# KiCad board XIAO ePaper Display Board EE03_V1.0.kicad_pcb (continued)
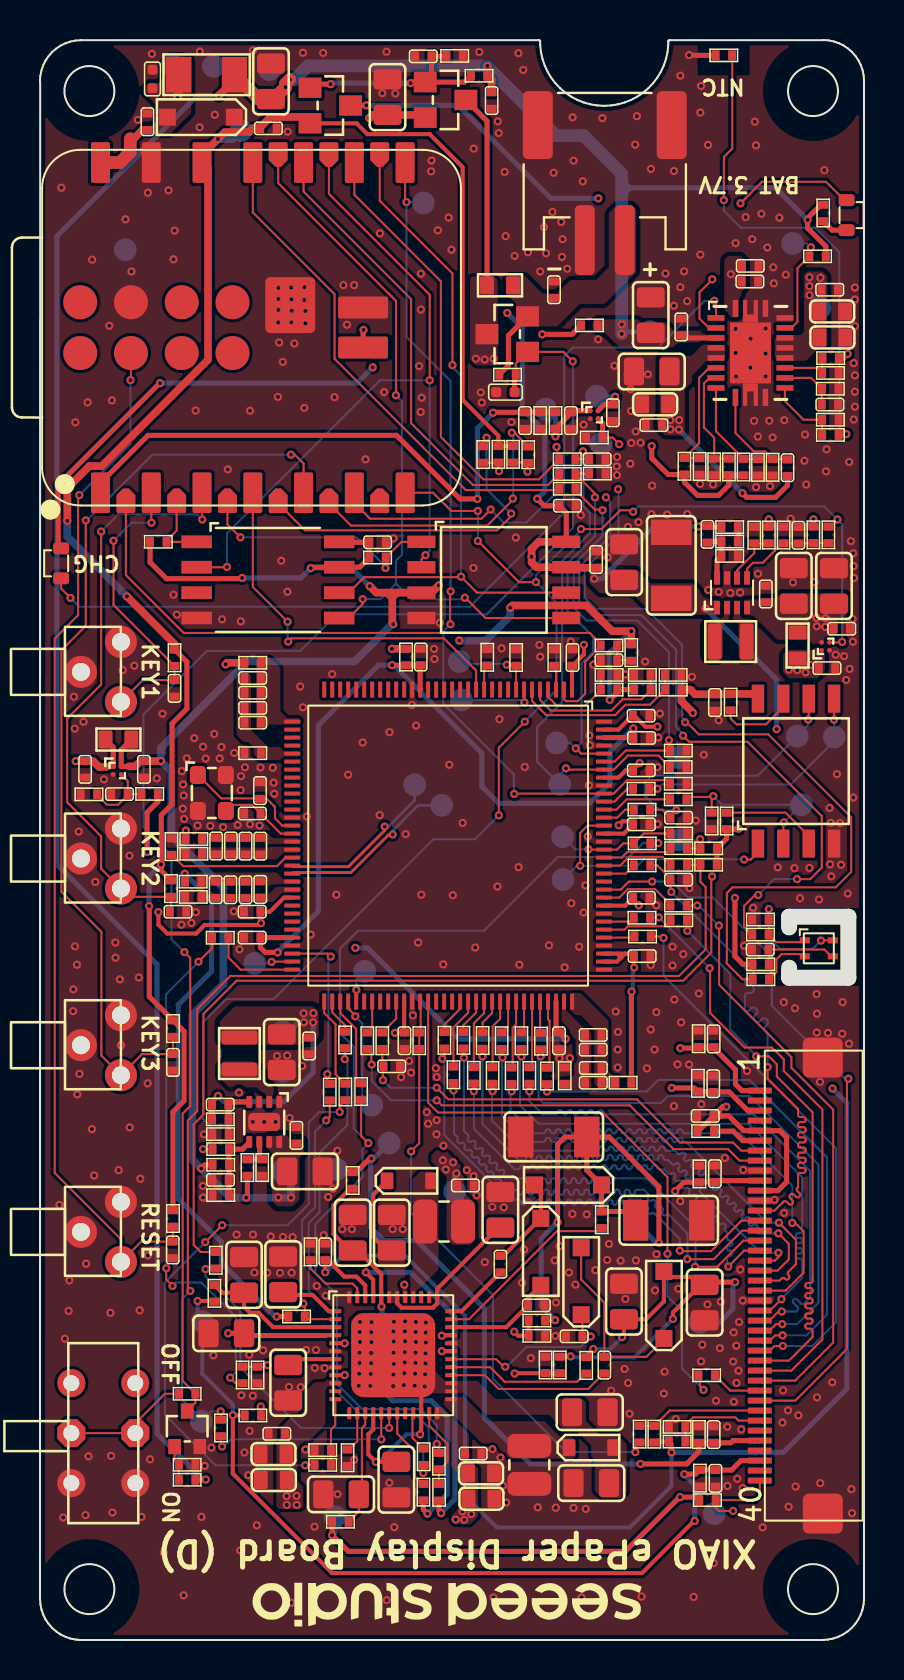
[diagram p0: board, top side]
## Routing (per net, layer and track width the routed paths; a pad name or vN(x,y) marks a point on that pad's centre or on a via; arc(x,y) is an arc through that point) (continued)
VBAT: length 19.5
  Top w0.254: Q5.3 22.37,75.94 R32.1 ; U17.A2 28.24,61.78 C48.1 28.67,62.05 v1(28.78,62.16) ; v1(35.15,57.34) 35.36,57.13 36.81,57.13 37.4,57.73 C67.1
  Bottom w0.254: v1(28.78,62.16) 27.88,62.16 TP3.1 ; v1(35.15,57.34) v1(31.97,60.52)
  vias: v1(21.81,64.06) v1(22.25,64.02) v1(22.7,64.06) v1(31.54,60.99) v1(31.54,60.53) v1(31.98,60.99)
VCC3IO: length 61.8
  Top w0.203: 29.69,45.58 v1(29.69,45.58)
  Top w0.254: U12.60 11.03,35.12 C125.1 11.03,34.62 11.27,34.38 v1(11.89,34.38) ; U12.20 19.02,48.71 19.05,48.74 17.63,48.74 v1(17.62,48.74) ; U12.126 29.67,45.12 C129.1 29.69,45.58 ; U12.94 25.82,30.52 C121.1 25.99,30.38 v1(26.3,30.06)
  In2.Cu w0.254: v1(15.78,34.61) 15.62,34.76 12.28,34.76 v1(11.89,34.38)
  Bottom w0.254: v1(11.89,34.38) 11.89,34.4 13.93,36.43 13.93,45.73 16.94,48.74 v1(17.62,48.74) 17.71,48.74 22.11,44.34 22.11,42.67 22.95,41.83 27.5,41.83 28.53,42.86 28.53,44.42 v1(29.69,45.58) ; v1(15.78,34.61) 16.39,34.61 20.94,30.06 v1(26.3,30.06)
VCC_3V3: length 150.6
  Top w0.254: Q7.3 16.32,76.72 v1(16.33,76.73) ; R137.2 10.38,22.17 v1(10.32,22.11) ; R79.2 33.45,55.64 C105.1 32.98,55.7 v1(32.96,55.67) ; R14.1 4.07,44.51 U19.A2 4.76,43.67 4.77,43.68 ; v1(13.55,53.59) 13.59,53.64 U6.7 16,53.64 R31.2 C63.1 15,54.89 U6.8 ; v1(34.77,37.1) 34.77,34.19 35.18,33.78 R152.1 ; U5.8 26.33,56.36 C50.1 25.23,56.71 v1(24.88,57.06) ; v1(8.07,23.58) 8.26,23.76 R25.2 ; R39.2 5.51,53.89 6.33,53.07 10.08,53.07 v1(10.12,53.1)
  Top w0.381: 17.91,52.37 17.63,52.37 ; 17.91,52.37 U5.3 19.59,52.37 v1(19.96,52.73) ; 17.91,52.37 17.85,52.37 17.63,52.14 ; 17.63,52.37 17.37,52.37 ; 17.63,52.37 17.63,52.14 ; 17.37,52.37 16.82,52.37 v1(16.5,52.69) ; 17.37,52.37 17.59,52.14 17.63,52.14 ; 17.63,52.14 17.63,50.84 v1(17.68,50.79) ; C29.1 26.36,53.61 U5.7 24.84,53.64 24.6,53.88 v1(24.6,54.16) 24.6,54.55 24.95,54.91 U5.8 ; v1(6.05,43.95) 6.04,43.95 C72.1 5.03,43.95 4.77,43.68 4.45,43.68
  In2.Cu w0.254: v1(34.77,37.1) 34.79,37.1 36.05,38.36 36.05,44.73 v1(36.86,45.54) ; v1(27.94,72.08) 27.94,68.77 25.52,66.35 v1(23.38,66.35)
  In2.Cu w0.381: v1(19.96,52.73) 19.96,53.45 20.73,54.23 24.54,54.23 v1(24.6,54.16)
  Bottom w0.254: v1(16.5,52.69) 15.6,53.59 v1(13.55,53.59) 13.06,53.1 v1(10.12,53.1) ; v1(16.33,76.73) 20.92,76.73 25.57,72.08 v1(27.94,72.08) ; v1(27.73,53.06) 28.11,53.06 30.72,55.67 v1(32.96,55.67) ; v1(24.88,57.06) 25.26,57.44 25.26,60.43 24.13,61.55 24.13,65.6 v1(23.38,66.35) ; v1(36.86,45.54) 36.86,48.02 v1(33.3,51.58)
  Bottom w0.381: TP55.1 12.56,23 v1(12.56,22.11) v1(10.32,22.11) 9.52,22.11 7.63,24 7.63,31.25 9.18,32.81 9.18,37.6 6.58,40.21 6.58,43.43 v1(6.05,43.95) 6.05,44.6 10.37,48.92 15.74,48.92 17.61,50.79 v1(17.68,50.79)
  vias: v1(11.93,22.12)
VCC_ITE_3V3: length 123.1
  Top w0.203: U10.45 16.68,18.01 v1(16.3,18.38)
  Top w0.254: R14.2 3.67,44.63 U19.A1 2.98,43.67 2.96,43.65 ; v1(7.3,40.47) 7.28,40.46 R97.1 ; R106.2 11.84,16.17 v1(11.84,16.17) ; R41.2 19.97,6.44 v1(20.07,6.34) ; R19.2 33.87,38.77 R18.2 34.36,40.07 R100.2 34.93,40.54 v1(34.95,40.56) ; R99.1 7.25,38.31 v1(7.25,38.31) ; R53.1 R50.1 28.89,47.38 v1(28.51,47.01)
  Top w0.381: R125.2 v1(29.59,50.44) 28.63,50.44 27.35,51.73 23.64,51.73 v1(23.53,51.61) ; v1(17.61,49.56) R72.1 ; 3.32,43.65 2.96,43.65 2.67,43.95 C73.1 1.79,43.95 v1(1.79,43.94) ; R73.1 9.37,48.86 v1(9.29,48.78) ; v1(32.66,46.35) 32.66,46.38 32.1,46.95 R55.1 32.55,47.52 32.78,47.29 C70.1 34.54,47.29 R101.2 35.68,47.31 U7.8
  In2.Cu w0.254: v1(11.84,16.17) 14.1,16.17 v1(16.3,18.38) ; v1(7.25,38.31) 7.25,40.42 v1(7.3,40.47) 6.42,40.47 4.35,42.54 2.85,42.54 1.79,43.6 v1(1.79,43.94)
  In2.Cu w0.381: v1(1.79,43.94) 1.79,44.16 3.31,45.68 6.38,45.68 9.29,48.59 v1(9.29,48.78) 9.86,49.35 17.4,49.35 v1(17.61,49.56) 18.12,50.08 20.88,50.08 v1(20.98,49.97) ; v1(29.59,50.44) 29.68,50.44 32.12,48 32.12,46.89 v1(32.66,46.35) 34.95,44.06 v1(34.95,40.56)
  Bottom w0.254: v1(28.51,47.01) 28.51,49.37 v1(29.59,50.44) ; v1(16.3,18.38) 18.55,18.38 20.76,16.17 20.76,7.03 v1(20.07,6.34) ; v1(7.25,38.31) 8.59,36.97 8.59,33.43 6.92,31.76 6.92,22.05 9.08,19.89 9.08,18.85 11.76,16.17 v1(11.84,16.17)
  Bottom w0.381: v1(20.98,49.97) 20.99,49.96 22.29,49.96 23.53,51.2 v1(23.53,51.61)
/E-ink/BORDER: length 5.4
  Top w0.102: J1.40 36.02,7.23 35.78,6.99 R60.2 33.81,6.6 33.96,6.45 v1(34.68,6.45) 34.69,6.47
  Bottom w0.102: TP31.1 33.88,6.45 v1(34.68,6.45)
/E-ink/PWRGOOD: length 4.1
  Top w0.102: R41.1 19.96,7.81 R132.2 20.01,8.53 20.39,8.91 20.39,9.8 19.48,10.72 U10.23
/E-ink/PWRUP: length 2
  Top w0.102: U10.21 18.64,11.3 18.64,10.1 19.17,9.58 R110.2
/E-ink/S_XOE: length 6.3
  Top w0.102: J1.33 36.01,11.47 31.51,11.47 R127.1 R126.2
/E-ink/S_XSTL: length 2.6
  Top w0.102: J1.31 34.54,12.47 R59.2
/E-ink/TEST: length 4.8
  Top w0.102: R121.2 R122.1 32.29,10.75 32.68,11.13 34.79,11.13 34.96,10.97 J1.34
/E-ink/VB_OUT: length 11.9
  Top w0.203: D10.2 16.67,22.27 16.67,20.16 17.36,19.48 C143.2 ; C137.2 22.94,20.62 19.88,17.56 U10.37 19.88,16.83 19.65,16.61 18.1,16.61 17.88,16.83 U10.42
/E-ink/VCOM_CTRL: length 3.4
  Top w0.102: U10.12 14.78,10.74 14.56,10.52 R129.1 R108.2
/E-ink/VN_OUT: length 21.5
  Top w0.203: 13.95,15.22 13.97,15.24 U10.4 ; v1(19.02,10.28) 19.08,10.33 U10.22 19.08,12.51 v1(19.25,12.68) ; 10.31,15.24 C134.1 ; C133.1 16.81,8.91 v1(16.81,8.9) 16.43,9.28 16.43,10.28 16.68,10.53 U10.16
  Top w0.254: v1(9.42,15.34) C134.1 10.32,15.22 14.28,15.22
  In2.Cu w0.254: v1(9.42,15.34) 15.93,15.34 v1(16,15.4)
  Bottom w0.203: v1(16.81,8.9) 16.96,8.9 18.34,10.28 19.01,10.28 v1(19.02,10.28)
  vias: v1(16.01,15.9) v1(16.01,14.9) v1(15.99,14.36) v1(15.99,13.85) v1(15.97,13.31) v1(15.95,12.71) v1(16.59,15.89) v1(16.58,15.39) v1(16.59,14.89) v1(16.57,14.35) v1(16.57,13.84) v1(16.55,13.3) v1(16.53,12.7) v1(17.71,15.91) v1(17.68,15.42) v1(17.7,14.92) v1(17.69,14.36) v1(17.71,13.8) v1(17.68,13.27) v1(17.67,12.69) v1(18.21,12.74) v1(18.27,15.93) v1(18.26,15.43) v1(18.27,14.93) v1(18.25,14.39) v1(18.25,13.88) v1(18.23,13.34) v1(18.8,15.4) v1(18.79,14.36) v1(18.79,13.85) v1(18.77,13.31) v1(18.75,12.71) v1(18.81,15.9) v1(18.81,14.9) v1(19.3,15.37) v1(19.29,14.33) v1(19.29,13.82) v1(19.27,13.28) v1(19.31,15.87) v1(19.31,14.87)
/E-ink/VNEG_OUT: length 7.3
  Top w0.203: U10.3 11.66,15.64 10.94,16.36 10.51,16.36 10.21,16.66 C123.1 9.11,17.37 R104.2
/E-ink/VPOS_OUT: length 21.6
  Top w0.203: v1(17.09,16.67) 17.08,16.68 U10.44 17.08,18.29 15.89,19.48 C147.1 15.51,19.48 14.69,20.29 14.69,21.73 15.52,22.56 R116.1
  Top w0.254: v1(19.39,6.31) 19.18,6.52 19.18,6.97 R109.1
  Bottom w0.254: v1(19.39,6.31) 20.37,7.29 20.37,11.17 19.58,11.96 17.65,11.96 17.11,12.5 17.11,16.65 v1(17.09,16.67)
/E-ink/WAKEUP: length 6.1
  Top w0.102: v1(11.39,13.74) 11.31,13.67 R63.2 R105.2 ; v1(15.25,14.83) 15.24,14.84 U10.5
  In2.Cu w0.102: v1(11.39,13.74) 11.39,13.75 12.52,14.89 15.19,14.89 v1(15.25,14.83)
/TCON-IT8951/ALERT: length 6
  Top w0.102: R124.2 30.22,40.33 R57.1 29.19,39.83 28.88,39.52 U12.112 27.46,39.52 v1(27.45,39.53)
  Bottom w0.102: v1(27.45,39.53) 26.78,39.53 TP48.1
/TCON-IT8951/CFG0: length 4.3
  Top w0.102: U12.4 25.42,47.16 25.88,46.7 27.27,46.7 28.06,47.5 R50.2 R51.1
/TCON-IT8951/CFG1: length 7.5
  Top w0.102: U12.5 25.02,47 25.55,46.47 28.59,46.47 29.15,47.03 30.1,47.03 30.55,47.49 R53.2 R54.1
/TCON-IT8951/CFG2: length 8.8
  Top w0.102: R56.1 31.27,48.25 R55.2 30.52,46.76 29.3,46.76 28.78,46.24 25.33,46.24 24.62,46.95 U12.6
/TCON-IT8951/HOLD#: length 3.9
  Top w0.102: U7.7 37.19,46.65 36.33,45.78 34.85,45.78 34.56,46.07 R101.1
/TCON-IT8951/ITE_HOST_HD_C: length 1.3
  Top w0.102: U12.12 22.22,48.56 R255.1
/TCON-IT8951/ITE_RX: length 4.1
  Top w0.102: v1(23.36,48.76) 23.41,48.71 R77.1 23.82,48.71 U12.8
  Bottom w0.102: v1(23.36,48.76) 23.31,48.81 21.09,48.81 TP54.1
/TCON-IT8951/ITE_TX: length 3.8
  Top w0.102: U12.7 24.22,46.9 v1(24.24,46.88)
  Bottom w0.102: v1(24.24,46.88) 24.13,46.99 21.1,46.99 TP56.1
/TCON-IT8951/SDDO0_OUT: length 1.8
  Top w0.102: R87.1 20.24,30.77 21.02,31.56 U12.82
/TCON-IT8951/SDDO1_OUT: length 3.5
  Top w0.102: R86.1 20.69,30.63 21.42,31.37 U12.83
/TCON-IT8951/SDDO2_OUT: length 1.8
  Top w0.102: U12.84 21.82,31.38 21.19,30.74 R85.1
/TCON-IT8951/SDDO3_OUT: length 3.5
  Top w0.102: U12.85 22.22,31.35 21.71,30.83 R68.1
/TCON-IT8951/SDDO4_OUT: length 1.7
  Top w0.102: U12.86 22.62,31.35 22.15,30.87 R67.1
/TCON-IT8951/SDDO5_OUT: length 3.4
  Top w0.102: U12.87 23.02,31.06 22.65,30.68 R66.1
/TCON-IT8951/SDDO6_OUT: length 1.7
  Top w0.102: U12.88 23.42,30.7 R65.1
/TCON-IT8951/SDDO7_OUT: length 3.4
  Top w0.102: U12.89 23.82,30.78 23.65,30.61 23.65,28.68 R64.1
/TCON-IT8951/SDDO8_OUT: length 1.6
  Top w0.102: R61.1 24.22,30.51 U12.90
/TCON-IT8951/SDDO9_OUT: length 3.3
  Top w0.102: R52.1 24.62,28.77 U12.91
/TCON-IT8951/SDDO10_OUT: length 1.6
  Top w0.102: R49.1 25.02,30.4 U12.92
/TCON-IT8951/SDDO11_OUT: length 3.4
  Top w0.102: R48.1 25.5,28.74 25.5,30.95 25.42,31.03 U12.93
/TCON-IT8951/SDDO12_OUT: length 1.5
  Top w0.102: U12.101 29.69,35.12 R90.1
/TCON-IT8951/SDDO13_OUT: length 3.5
  Top w0.102: 31.55,35.99 31.25,35.68 29.41,35.68 29.25,35.52 U12.102
/TCON-IT8951/SDDO14_OUT: length 1.6
  Top w0.102: U12.103 29.51,35.92 R88.1
/TCON-IT8951/SDDO15_OUT: length 3.9
  Top w0.102: R114.1 31.54,36.78 30.78,37.54 29.41,37.54 28.99,37.12 U12.106
/TCON-IT8951/SPI_CS: length 13.8
  Top w0.102: U12.115 27.4,40.72 27.03,40.35 v1(27.03,38.71) ; U7.1 35.92,39.38 35.57,39.02 v1(35.23,39.02)
  Bottom w0.102: v1(35.23,39.02) 35.22,39.03 30.22,39.03 29.9,38.71 v1(27.03,38.71) 26.86,38.71 TP37.1
/TCON-IT8951/SPI_SCK: length 14.9
  Top w0.102: v1(38.44,46.02) 38.46,46.05 U7.6 ; v1(31.84,41.49) 31.54,41.19 C7.2 31.14,41.52 R95.2
  Bottom w0.102: v1(31.84,41.49) 30.98,41.49 30.26,42.21 30.26,42.88 30.59,43.21 35.91,43.21 TP40.1 38.44,45.74 v1(38.44,46.02)
/TCON-IT8951/SPI_SI: length 9.2
  Top w0.102: U7.2 37.19,40.86 v1(37.22,40.88) ; R115.1 33.61,42.11 v1(33.69,42.19) 33.65,42.15 32.47,42.15 R94.2
  Bottom w0.102: v1(37.22,40.88) TP38.1 34.12,41.76 v1(33.69,42.19)
/TCON-IT8951/SPI_SO: length 12.4
  Top w0.102: R93.2 v1(30.9,42.56) ; U7.5 39.73,46.02 v1(39.73,46.01)
  Bottom w0.102: v1(39.73,46.01) 39.74,46 TP39.1 39.74,44.94 37.57,42.77 31.11,42.77 v1(30.9,42.56)
/TCON-IT8951/TEST_EN: length 1.2
  Top w0.102: U12.3 25.82,48.62 R71.1
/TCON-IT8951/USB_N: length 8.4
  Top w0.142: v1(17.25,40.67) 17.25,40.48 15.43,38.67 12.68,38.67 U12.51
  Bottom w0.142: v1(17.25,40.67) 17.44,40.67 18.75,41.98 TP19.1
/TCON-IT8951/USB_P: length 9
  Top w0.142: v1(17.65,40.28) 17.46,40.28 15.56,38.37 12.68,38.37 U12.52
  Bottom w0.142: v1(17.65,40.28) 17.65,40.46 18.92,41.73 TP25.1
/TCON-IT8951/WP#: length 5
  Top w0.102: U7.3 38.46,40.21 37.31,41.37 R100.1
/TCON-IT8951/XSCI: length 6.1
  Top w0.102: U12.46 12.12,40.72 11.76,41.08 11.76,41.65 11.36,42.06 C118.2 10.99,42.08 9.07,42.08 X2.1
/TCON-IT8951/XSCO: length 4
  Top w0.102: X2.3 9.61,41.76 10.61,41.76 C131.2 12.05,40.32 U12.47
/XIAO/BUTON1: length 15.1
  Top w0.102: U3.2 5.57,55.87 v1(5.58,55.86) ; v1(3.68,54.96) 3.68,51.75 R36.1 C54.1 5.14,47.99 SW3.2
  Bottom w0.102: v1(3.68,54.96) 4.58,55.86 v1(5.58,55.86)
/XIAO/BUTON2: length 30
  Top w0.102: C55.1 6.55,36.47 R37.1 4.47,37.16 SW4.2 3.06,38.57 3.06,40.18 1.36,41.88 1.36,46.07 3.06,47.77 v1(3.06,55.42) ; U3.3 8.11,56.03 v1(8.12,56.02)
  Bottom w0.102: v1(3.06,55.42) 3.92,56.28 7.86,56.28 v1(8.12,56.02)
/XIAO/BUTON3: length 47.3
  Top w0.102: v1(12.56,59.26) 12.75,59.26 13.19,58.82 U3.5 ; R38.1 C56.1 5.11,29.29 SW5.2 3.07,29.22 3.07,35.41 1.07,37.41 1.07,49.49 2.29,50.7 v1(2.29,55.98)
  Bottom w0.102: v1(12.56,59.26) 5.62,59.26 2.34,55.98 v1(2.29,55.98)
/XIAO/IO41/I2C_SCL: length 48.3
  Top w0.102: v1(32.28,45.88) 32.36,45.88 32.96,45.28 36.44,45.28 40.59,41.13 40.59,38.4 39.82,37.63 34.65,37.63 34.37,37.35 34.37,33.82 35.16,33.03 R155.2 ; v1(22.97,58.44) 22.94,58.47 R11.1 22.93,58.86 R17.1
  In2.Cu w0.102: v1(28.93,57.54) 28.52,57.94 23.47,57.94 v1(22.97,58.44)
  Bottom w0.102: v1(28.93,57.54) 28.95,57.52 28.95,55.23 27.26,53.54 27.26,52.11 27.81,51.56 30.32,51.56 32.13,49.75 32.13,46.09 32.28,45.94 v1(32.28,45.88)
/XIAO/IO42/I2C_SDA: length 43.8
  Top w0.102: v1(37.88,38.04) 38.54,38.04 39.12,38.62 39.12,41.19 35.4,44.91 32.48,44.91 v1(32.18,45.21) ; R12.1 24.39,58.81 v1(24.39,58.41) ; R12.1 24.41,58.87 ; R12.1 24.41,58.87 ; 24.41,58.87 R23.1 ; v1(35.94,37.25) 35.78,37.25 35.23,36.7 35.23,35.68 R154.2 35.64,35.31
  In2.Cu w0.102: v1(28.32,57.13) 27.83,57.62 22.94,57.62 22.59,57.98 22.59,58.65 22.79,58.85 23.89,58.85 24.33,58.41 v1(24.39,58.41)
  Bottom w0.102: v1(28.32,57.13) 28.53,56.92 28.53,55.2 26.98,53.64 26.98,51.86 27.6,51.24 30.1,51.24 31.83,49.51 31.83,45.65 32.18,45.3 v1(32.18,45.21) ; v1(35.94,37.25) 36.73,38.04 v1(37.88,38.04)
/XIAO/PWR_SW: length 10.5
  Top w0.254: Q5.1 21.24,77.89 R145.1 ; Q5.1 19.59,78.21 C41.1 20.32,79.18 R43.2 ; Q5.1 18.6,77.89 v1(18.55,77.84) ; v1(14.54,77.79) 13.69,77.79 Q7.1
  Bottom w0.254: v1(14.54,77.79) 14.59,77.84 v1(18.55,77.84)
/XIAO/RST: length 52.2
  Top w0.102: v1(1.97,57.24) 1.91,57.18 1.91,51.24 0.74,50.07 0.74,23.35 4.05,20.04 SW2.2 5.06,19.92 C53.1 6.65,20.65 R35.1 ; U3.26 4.55,63.02 v1(4.53,62.99)
  Bottom w0.102: v1(1.97,57.24) 4.53,59.8 v1(4.53,62.99)
/XIAO/SPI1_CLK: length 34.8
  Top w0.102: U3.21 17,71.96 20.64,68.32 v1(20.64,63.74) ; U6.6 15.45,52.37 16.23,53.14 21.05,53.14 v1(21.07,53.16) 21.86,52.37 U5.6
  Bottom w0.102: v1(20.64,63.74) 20.64,63.64 21.07,63.21 v1(21.07,53.16)
/XIAO/SPI1_CS0: length 3.7
  Top w0.102: U3.16 6.84,55.47 6.33,54.97 R39.1 6.33,54.91 7.78,54.91
/XIAO/SPI1_CS1: length 12.7
  Top w0.102: U5.1 18.09,54.91 R31.1 17.3,53.62 v1(17.29,53.6) ; v1(10.03,55.13) 9.38,55.78 U3.17
  Bottom w0.102: v1(17.29,53.6) 17.29,53.67 15.83,55.13 v1(10.03,55.13)
/XIAO/SPI1_MISO: length 39.4
  Top w0.102: v1(19.29,54.24) 19.09,54.04 U5.2 ; v1(9.36,53.65) 9.34,53.64 U6.2 ; U3.22 14.46,72.3 19.5,67.26 v1(19.5,62.98)
  Bottom w0.102: v1(9.36,53.65) 9.36,55.33 17.01,62.98 v1(19.5,62.98) 19.5,54.45 v1(19.29,54.24)
/XIAO/SPI1_MOSI: length 37.3
  Top w0.102: U6.5 15.44,51.1 16.15,51.8 v1(16.15,52.04) ; v1(17.81,62.23) 17.82,62.24 17.82,66.94 17.6,67.17 17.6,67.19 17.43,67.35 17.41,67.35 11.92,72.84 U3.23 ; U5.5 22.29,51.1 21.28,52.11 v1(21.26,52.11)
  Bottom w0.102: v1(17.81,62.23) 18.11,61.93 18.11,54.25 17.81,53.95 17.81,52.81 ; 17.87,52.75 18.59,52.03 21.18,52.03 v1(21.26,52.11) ; 17.87,52.75 17.85,52.77 17.76,52.77 17.75,52.75 ; 17.87,52.75 17.81,52.81 ; 17.81,52.81 17.75,52.75 ; 17.75,52.75 17.04,52.04 16.15,52.04 v1(16.15,52.04)
ADC_EN: length 19.8
  Top w0.102: v1(28.98,59.79) 28.65,60.12 R27.2 ; U3.6 15.73,56.85 16.52,56.06 22.09,56.06 v1(22.55,56.52)
  Top w0.254: U17.B2 28.15,60.84 R27.2
  In2.Cu w0.102: v1(28.98,59.79) 28.65,60.12 26.32,60.12 25.85,59.65 v1(25.85,59.65)
  Bottom w0.102: v1(22.55,56.52) 23.2,55.87 24.34,55.87 25.88,57.41 25.88,59.62 v1(25.85,59.65)
BAT_ADC: length 29.4
  Top w0.254: R28.1 R29.2 C62.1 22.69,61.39 v1(22.67,61.36) ; v1(21.89,57.05) 21.02,57.05 17.84,60.23 5.41,60.23 3.03,57.85 U3.1
  Bottom w0.254: v1(21.89,57.05) 21.89,60.58 v1(22.67,61.36)
EDP_BUSY: length 19.3
  Top w0.102: U3.4 10.65,52.65 v1(12.39,50.91) ; v1(12.42,49.92) 12.58,50.08 20.21,50.08 21.82,48.47 U12.13
  Bottom w0.102: v1(12.39,50.91) 12.39,49.95 v1(12.42,49.92)
EDP_Drive: length 1.1
  Top w0.203: 12.33,8.01 C114.2 ; 12.26,9.36 C100.2
  Bottom w0.254: v1(20.84,23.32) 20.75,23.24 TP22.1
  vias: v1(12.34,7.19) v1(12.35,6.75) v1(12.84,7.2) v1(12.85,6.75) v1(20.16,23.98) v1(20.31,23.52) v1(20.67,23.88) v1(20.8,6.02) v1(21.14,6.43) v1(21.23,6) v1(21.58,6.29) v1(37.47,48.51) v1(37.89,48.49) v1(38.31,48.38) v1(38.56,48.75)
EDP_RES: length 33.4
  Top w0.102: U3.15 4.3,53.24 7.19,50.35 27.51,50.35 28.06,49.81 R2.2 28.06,49.69 27.28,48.91 27.28,47.31 26.91,46.94 26.32,46.94 26.22,47.04 U12.2
EPD_3V3: length 77.4
  Top w0.203: v1(31.6,9.38) 31.6,9.79 R121.1 30.78,9.92 R127.2 ; v1(14.27,18.39) C19.1 14.4,18.99 15.22,18.17 15.83,18.17 16.28,17.73 U10.46
  Top w0.254: 34.09,26.2 C139.1 ; 34.09,26.2 34.47,26.2 35.2,25.47 J1.5 37.01,25.47 37.36,25.12 37.36,22.9 36.92,22.47 J1.11 ; 34.09,26.2 33.97,26.33 33.97,26.47 ; C139.1 33.97,26.47 ; C139.1 32.94,25.44 R249.2 ; 31.6,9.39 v1(31.6,9.38) ; 34.33,26.66 v1(34.34,26.66) 34.16,26.66 33.97,26.47
  In2.Cu w0.254: v1(34.34,26.66) 38.75,26.66 v1(39.66,27.57)
  Bottom w0.203: v1(14.27,18.39) 14.31,18.39 15.15,19.22 18.26,19.22 21.27,16.21 21.27,7.22 22.87,5.62 29.51,5.62 31.6,7.71 v1(31.6,9.38)
  Bottom w0.254: v1(31.6,9.38) 37.2,9.38 40.37,12.55 40.37,26.86 v1(39.66,27.57)
ESP_3V3: length 93
  Top w0.203: R23.2 R11.2 22.94,60.21 21.15,62 21.15,73.64 19.5,75.29 16.38,75.29 15.84,75.83 Q7.2
  Top w0.254: v1(5.46,36.69) 5.47,36.68 5.47,32.17 R38.2 7.21,30.43 7.21,26.96 6.66,26.41 R35.2 ; R37.2 6.07,38.47 6.07,41.24 6.61,41.78 6.61,45.82 7.35,46.56 7.35,48.91 R36.2
  Top w0.381: v1(1.37,55.96) 1.37,57.59 2.48,58.7 3.1,58.7 8.41,64.01 8.41,73.57 U3.12 8.11,74.25 v1(8.9,75.05) 9.26,75.4 10.47,75.4 10.65,75.58 C59.1 11.02,75.63 11.54,76.15 13.2,76.15 Q7.2 ; R36.2 6.73,49.8 v1(4.35,52.18)
  Bottom w0.254: v1(6.06,38.78) 5.46,38.18 v1(5.46,36.69)
  Bottom w0.381: v1(8.9,75.05) 9.63,75.05 TP10.1 ; v1(1.37,55.96) 1.37,55.16 v1(4.35,52.18)
GDCLK: length 21.9
  Top w0.102: v1(19.85,27.61) 20.43,27.03 29.87,27.03 32.03,24.87 34.68,24.87 35.08,24.47 J1.7 ; v1(17.16,27.99) 17.16,28.66 C6.2 17.13,28.74 R91.2
  Bottom w0.102: v1(19.85,27.61) 17.54,27.61 v1(17.16,27.99)
GDSPV: length 22.8
  Top w0.102: 16.26,29.55 16.25,29.56 ; v1(19.85,26.98) 20.1,26.73 29.51,26.73 31.7,24.54 34.43,24.54 35,23.97 J1.8 ; v1(16.6,28.77) 16.58,28.79 16.58,29.35 R92.2
  Bottom w0.102: v1(16.6,28.77) 16.6,27.94 17.56,26.98 v1(19.85,26.98)
ITE_I2C_SCL: length 54.7
  Top w0.102: R156.1 9.06,11.41 v1(9.04,11.43) ; v1(7.52,17.45) 7.4,17.57 7.4,25.97 7.87,26.44 7.87,31.54 9.53,33.2 31.98,33.2 33.31,34.53 33.31,37.64 33.04,37.91 R19.1 33.03,38.75 R46.2
  Bottom w0.102: v1(7.52,17.45) 7.1,17.03 7.1,12.03 8.08,11.05 TP42.1 8.58,11.43 v1(9.04,11.43)
ITE_I2C_SDA: length 47.8
  Top w0.102: v1(33.63,38.17) 33.59,38.13 33.59,34.37 32.18,32.96 9.84,32.96 8.18,31.3 8.18,26.27 7.69,25.78 7.69,19.75 8.04,19.4 R157.1 ; R45.2 32.38,39.58 R18.1 33.05,40.03 v1(33.03,40.04)
  In2.Cu w0.102: v1(33.03,40.04) 33.63,39.44 v1(33.63,38.17)
  Bottom w0.102: TP43.1 32.99,40 v1(33.03,40.04)
PWR0_INT: length 13
  Top w0.102: v1(14.32,25.98) 14.5,26.16 R131.1 ; U10.2 13.39,16.04 R106.1 13.25,16.75 v1(13.18,16.82)
  Bottom w0.102: v1(13.18,16.82) 13.12,16.88 13.12,20.99 13.76,21.63 13.76,25.41 14.32,25.97 v1(14.32,25.98)
PWR2_WAKEUP: length 26.3
  Top w0.102: v1(6.63,17.7) 6.63,17.71 6.32,18.03 v1(6.32,18.59) ; v1(7.93,33.91) 8.61,34.59 R133.1 ; v1(9.52,13.11) 9.79,12.84 R105.1
  Bottom w0.102: v1(9.52,13.11) 9.8,13.39 9.8,16.14 8.07,17.87 6.79,17.87 6.63,17.71 v1(6.63,17.7) ; v1(6.32,18.59) 6.32,32.3 v1(7.93,33.91)
PWR3_PWRCOM: length 30.5
  Top w0.102: v1(15,26.4) 15,26.71 R96.2 ; v1(8.27,19.89) v1(9.11,20.74) ; R108.1 13.29,8.76 v1(13.27,8.73)
  Bottom w0.102: v1(15,26.4) 13.97,26.4 13.45,25.88 13.45,21.79 12.39,20.74 v1(9.11,20.74) ; v1(8.27,19.89) 6.25,17.87 6.25,11.27 8.79,8.73 v1(13.27,8.73)
PWR4_PWRUP: length 26.7
  Top w0.102: R110.1 19.2,8.37 v1(19.18,8.35) ; v1(15.25,29.04) 15.27,29.06 R123.2
  Bottom w0.102: v1(15.25,29.04) 15.38,28.91 15.38,25.75 13.99,24.36 13.99,21.38 13.45,20.84 13.45,17.46 14.63,16.28 14.63,12.66 15.99,11.3 18.76,11.3 19.45,10.61 19.45,9.79 19.18,9.52 v1(19.18,8.35)
PWR5_GOOD: length 52
  Top w0.102: v1(16.43,24.84) 16.07,25.2 R150.2 ; v1(19.85,9.8) 19.96,9.69 R132.1 ; R57.2 30.93,39.83 v1(30.94,39.84)
  Bottom w0.102: v1(30.94,39.84) 30.17,39.84 29.48,39.15 25.91,39.15 22.22,35.46 15.91,35.46 15.02,34.57 15.02,30.34 15.7,29.66 15.7,25.57 v1(16.43,24.84) 16.14,24.55 16.14,23.15 13.78,20.79 13.78,18.34 14.86,17.26 14.86,12.8 16.12,11.54 19.05,11.54 19.85,10.74 v1(19.85,9.8)
PWR_EN: length 73.6
  Top w0.102: v1(39.9,56.02) 39.54,55.67 R158.1 ; v1(27.07,55.55) 28.09,55.55 29.03,56.48 29.61,56.48 v1(29.68,56.41) ; v1(21.91,54.95) 23.97,52.89 v1(24.82,52.89) ; v1(24.26,45.91) 22.96,44.61 v1(22.96,41.23) ; v1(40.14,49.9) 40.12,49.88 U18.B2 ; R159.2 v1(8.16,24.54) ; U3.7 19.67,57.36 20.58,56.45 v1(21.91,56.45)
  Bottom w0.102: v1(24.26,45.91) 25.85,47.5 25.85,51.86 v1(24.82,52.89) 24.82,53.24 27.07,55.49 v1(27.07,55.55) ; v1(8.16,24.54) 8.69,25.07 8.69,25.52 8.16,26.05 8.16,30.88 9.32,32.04 11.69,32.04 19.68,40.03 21.76,40.03 v1(22.96,41.23) ; v1(21.91,54.95) v1(21.91,56.45) ; v1(29.68,56.41) 29.94,56.67 39.25,56.67 v1(39.9,56.02) 40.14,55.78 v1(40.14,49.9)
SDCE_N0: length 30.9
  Top w0.102: R59.1 33.03,13.15 33.03,12.67 v1(33.2,12.5) 33.25,12.45 ; U12.78 19.42,26.87 19.92,26.37 28.17,26.37 31.4,23.14 v1(31.4,19.31)
  Bottom w0.102: v1(33.2,12.5) 32.13,13.57 32.13,16.45 31.4,17.18 v1(31.4,19.31)
SDCLK: length 29
  Top w0.102: J1.13 36.75,21.47 37.21,21.92 arc(37.28,21.95) 37.35,21.92 37.47,21.79 arc(37.55,21.76) 37.62,21.79 37.65,21.83 arc(37.68,21.9) 37.65,21.97 37.53,22.1 arc(37.5,22.17) 37.53,22.24 37.56,22.28 arc(37.64,22.31) 37.71,22.28 37.83,22.15 arc(37.91,22.12) 37.98,22.15 38.01,22.19 arc(38.04,22.26) 38.01,22.33 37.89,22.46 arc(37.86,22.53) 37.89,22.6 37.93,22.64 37.93,23.25 arc(37.96,23.32) 38.03,23.35 38.21,23.35 arc(38.28,23.38) 38.31,23.45 38.31,23.51 arc(38.28,23.58) 38.21,23.61 38.03,23.61 arc(37.96,23.64) 37.93,23.71 37.93,23.76 arc(37.96,23.83) 38.03,23.86 38.21,23.86 arc(38.28,23.89) 38.31,23.96 38.31,24.01 arc(38.28,24.09) 38.21,24.11 38.03,24.11 arc(37.96,24.14) 37.93,24.22 37.93,24.27 arc(37.96,24.34) 38.03,24.37 38.21,24.37 arc(38.28,24.4) 38.31,24.47 38.31,24.52 arc(38.28,24.59) 38.21,24.62 38.03,24.62 arc(37.96,24.65) 37.93,24.72 37.93,24.78 arc(37.96,24.85) 38.03,24.88 38.21,24.88 arc(38.28,24.91) 38.31,24.98 38.31,25.03 arc(38.28,25.1) 38.21,25.13 38.03,25.13 arc(37.96,25.16) 37.93,25.23 37.93,25.28 arc(37.96,25.36) 38.03,25.38 38.21,25.38 arc(38.28,25.41) 38.31,25.49 38.31,25.54 arc(38.28,25.61) 38.21,25.64 38.03,25.64 arc(37.96,25.67) 37.93,25.74 37.93,25.79 arc(37.96,25.86) 38.03,25.89 38.21,25.89 arc(38.28,25.92) 38.31,25.99 38.31,26.05 arc(38.28,26.12) 38.21,26.15 38.03,26.15 arc(37.96,26.18) 37.93,26.25 37.93,26.55 36.41,28.07 v1(36.41,28.64) ; R47.2 30.89,38.73 31.54,38.08 C5.2 31.54,37.45 v1(31.59,37.4)
  Bottom w0.102: v1(36.41,28.64) 36.41,30.34 36.29,30.46 arc(36.25,30.57) 36.29,30.68 36.39,30.78 arc(36.44,30.88) 36.39,30.99 36.34,31.04 arc(36.23,31.09) 36.12,31.04 36.02,30.94 arc(35.92,30.9) 35.81,30.94 35.75,31 arc(35.71,31.11) 35.75,31.21 35.85,31.31 arc(35.9,31.42) 35.85,31.53 35.8,31.58 arc(35.69,31.63) 35.58,31.58 35.48,31.48 arc(35.38,31.44) 35.27,31.48 35.27,32.2 arc(35.31,32.31) 35.42,32.35 35.56,32.35 arc(35.67,32.4) 35.72,32.51 35.72,32.58 arc(35.67,32.69) 35.56,32.74 35.42,32.74 arc(35.31,32.78) 35.27,32.89 35.27,32.96 arc(35.31,33.07) 35.42,33.12 35.56,33.12 arc(35.67,33.16) 35.72,33.27 35.72,33.35 arc(35.67,33.45) 35.56,33.5 35.42,33.5 arc(35.31,33.54) 35.27,33.65 35.27,33.72 v1(31.59,37.4)
SDDO0: length 27.7
  Top w0.102: J1.14 35.1,20.97 33.58,19.44 32.04,19.44 v1(32.01,19.47) ; R87.2 20.24,29.17 v1(20.13,29.06)
  Bottom w0.102: v1(20.13,29.06) 20.23,28.96 20.23,25.25 23.47,22.01 23.97,22.01 arc(24.04,21.98) 24.07,21.91 24.07,21.87 arc(24.1,21.8) 24.17,21.77 24.22,21.77 arc(24.29,21.8) 24.32,21.87 24.32,21.91 arc(24.35,21.98) 24.42,22.01 24.47,22.01 arc(24.55,21.98) 24.58,21.91 24.58,21.87 arc(24.61,21.8) 24.68,21.77 24.73,21.77 arc(24.8,21.8) 24.83,21.87 24.83,21.91 arc(24.86,21.98) 24.93,22.01 24.98,22.01 arc(25.05,21.98) 25.08,21.91 25.08,21.87 arc(25.11,21.8) 25.19,21.77 25.24,21.77 arc(25.31,21.8) 25.34,21.87 25.34,21.91 arc(25.37,21.98) 25.44,22.01 25.49,22.01 arc(25.56,21.98) 25.59,21.91 25.59,21.87 arc(25.62,21.8) 25.69,21.77 25.74,21.77 arc(25.82,21.8) 25.85,21.87 25.85,21.91 arc(25.88,21.98) 25.95,22.01 26,22.01 arc(26.07,21.98) 26.1,21.91 26.1,21.87 arc(26.13,21.8) 26.2,21.77 26.25,21.77 arc(26.32,21.8) 26.35,21.87 26.35,21.91 arc(26.38,21.98) 26.46,22.01 26.51,22.01 arc(26.58,21.98) 26.61,21.91 26.61,21.87 arc(26.64,21.8) 26.71,21.77 26.76,21.77 arc(26.83,21.8) 26.86,21.87 26.86,21.91 arc(26.89,21.98) 26.96,22.01 27.01,22.01 arc(27.09,21.98) 27.12,21.91 27.12,21.87 arc(27.15,21.8) 27.22,21.77 27.27,21.77 arc(27.34,21.8) 27.37,21.87 27.37,21.91 arc(27.4,21.98) 27.47,22.01 27.52,22.01 arc(27.59,21.98) 27.62,21.91 27.62,21.87 arc(27.65,21.8) 27.73,21.77 27.78,21.77 arc(27.85,21.8) 27.88,21.87 27.88,21.91 arc(27.91,21.98) 27.98,22.01 28.03,22.01 arc(28.1,21.98) 28.13,21.91 28.13,21.87 arc(28.16,21.8) 28.23,21.77 28.28,21.77 arc(28.36,21.8) 28.39,21.87 28.39,21.91 arc(28.42,21.98) 28.49,22.01 28.54,22.01 arc(28.61,21.98) 28.64,21.91 28.64,21.87 arc(28.67,21.8) 28.74,21.77 28.79,21.77 arc(28.86,21.8) 28.89,21.87 28.89,21.91 arc(28.92,21.98) 29,22.01 29.05,22.01 arc(29.12,21.98) 29.15,21.91 29.15,21.87 arc(29.18,21.8) 29.25,21.77 29.3,21.77 arc(29.37,21.8) 29.4,21.87 29.4,21.91 arc(29.43,21.98) 29.5,22.01 30.06,22.01 arc(30.09,21.94) 30.06,21.87 30.03,21.84 arc(30,21.77) 30.03,21.69 30.06,21.66 arc(30.14,21.63) 30.21,21.66 30.24,21.69 arc(30.31,21.72) 30.38,21.69 30.42,21.65 arc(30.45,21.58) 30.42,21.51 arc(30.39,21.44) 30.42,21.37 30.46,21.33 arc(30.53,21.3) 30.6,21.33 arc(30.67,21.36) 30.74,21.33 32.01,20.06 v1(32.01,19.47)